# Altium PCB MAIN.PcbDoc (continued)
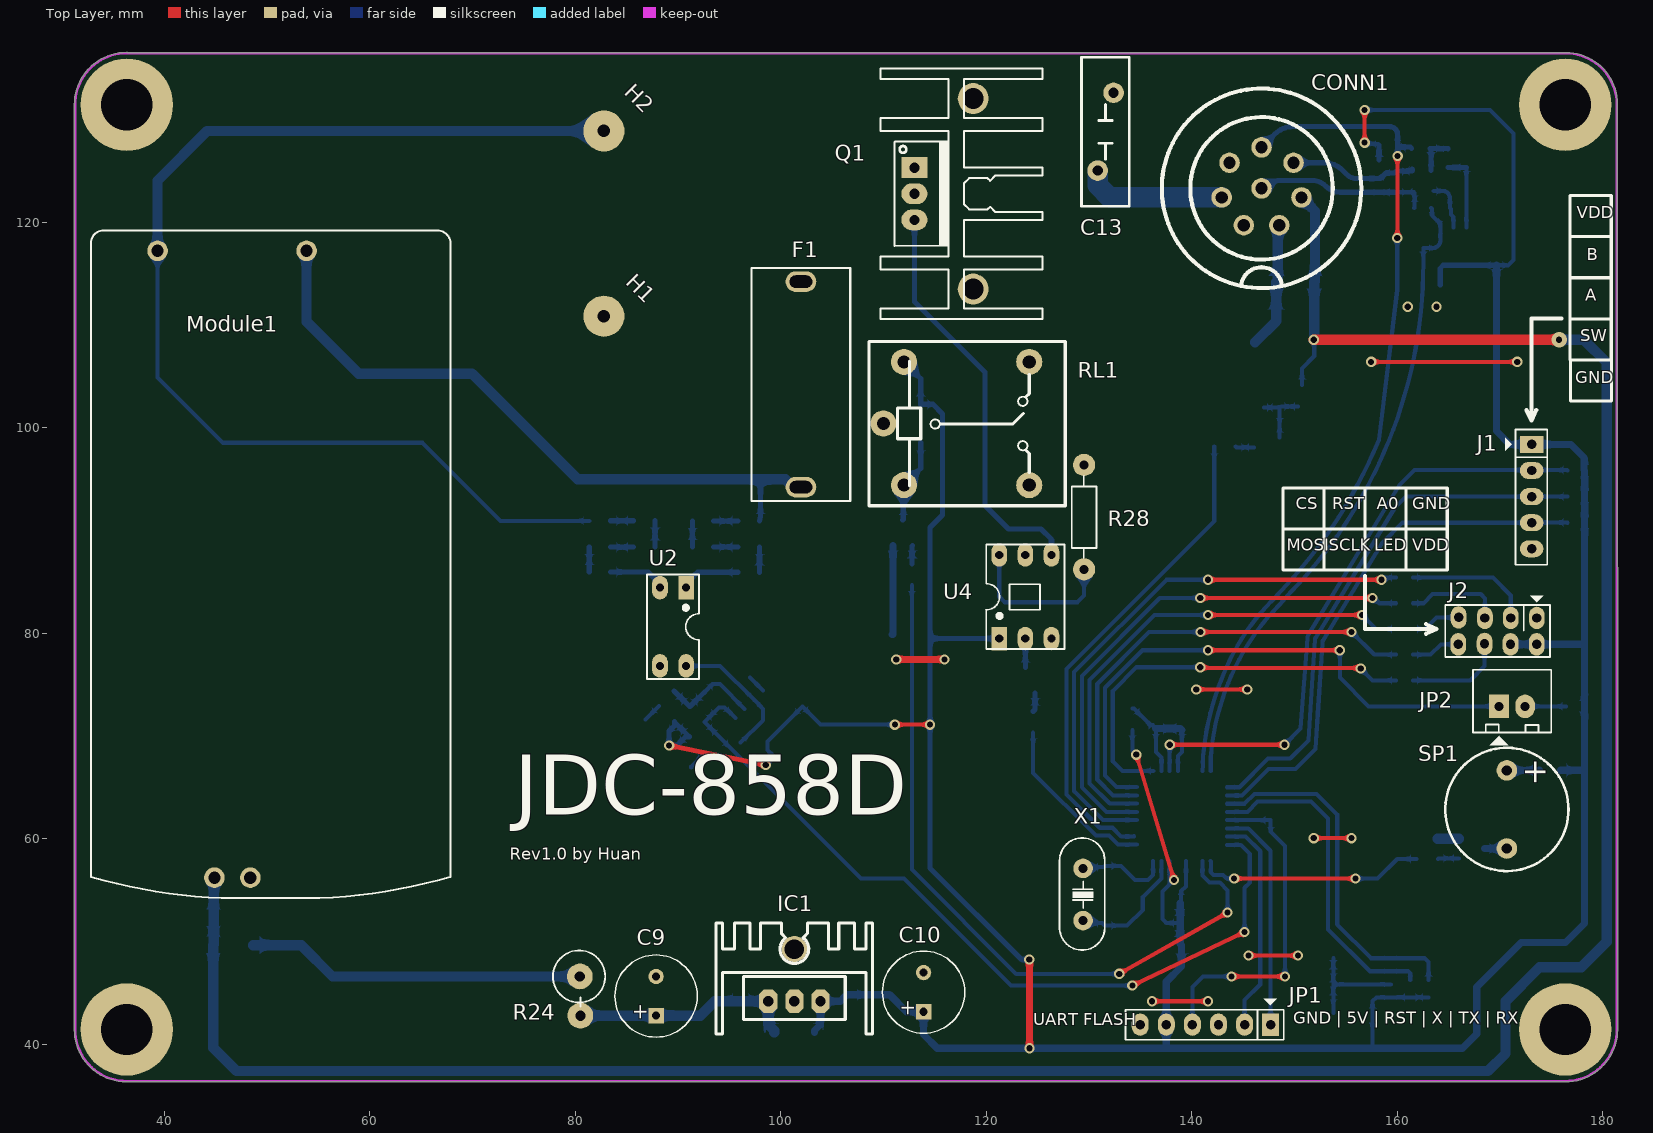
[diagram p0: Top Layer view]
## Footprints (in the part's own frame and the unit in brackets; to place one, negate y for a bottom-side part, rotate by r counter-clockwise, add the part's x,y. Pads: shape width x height; smd on the part's side, far side on the other; paste and mask are expansions set on the pad) (continued)
SOP-8 [mm]
  rect 1.2x0.45 smd: 1(-2.794,1.905) 2(-2.794,0.635) 3(-2.794,-0.635) 4(-2.794,-1.905) 5(2.794,-1.905) 6(2.794,-0.635) 7(2.794,0.635) 8(2.794,1.905)
  silkscreen extent -2.16,-2.41 1.91,3.05, body extent -3,-2.45 3,2.45, height 1.75
SOT23B [mm] "SOT 23B"
  rect 1x1 smd: 1(-0.95,-1.25) 2(0.95,-1.25) 3(0,1.25)
  silkscreen extent -1.3,-0.38 1.3,1.25, body extent -1.52,-1.23 1.48,1.27, height 1.06
TO220H2 [mil] "TO-220 - 1-2-3"
  rect 80x100 hole 39: 1(-100,0)
  oval 80x100 hole 39: 2(0,0) 3(100,0)
  silkscreen extent -480,-130 480,490, body extent -449,-177 453,469, height 1206
TO-252 [mm]
  rect 1.2x2.2 smd: 1(-2.28,-6.3) 3(2.28,-6.3)
  rect 5.8x6.4 smd: 2(0,0)
  body extent -3.27,-6.61 3.27,3.3, height 2.75
TQFP-32 [mm]
  rect 1.5x0.45 smd: 1(-4.394,2.794) 2(-4.394,1.994) 3(-4.394,1.194) 4(-4.394,0.394) 5(-4.394,-0.406) 6(-4.394,-1.206) 7(-4.394,-2.006) 8(-4.394,-2.806) 17(4.394,-2.794) 18(4.394,-1.994) 19(4.394,-1.194) 20(4.394,-0.394) 21(4.394,0.406) 22(4.394,1.206) 23(4.394,2.006) 24(4.394,2.806)
  rect 0.45x1.5 smd: 9(-2.794,-4.394) 10(-1.994,-4.394) 11(-1.194,-4.394) 12(-0.394,-4.394) 13(0.406,-4.394) 14(1.206,-4.394) 15(2.006,-4.394) 16(2.806,-4.394) 25(2.794,4.394) 26(1.994,4.394) 27(1.194,4.394) 28(0.394,4.394) 29(-0.406,4.394) 30(-1.206,4.394) 31(-2.006,4.394) 32(-2.806,4.394)
  silkscreen extent -4.7,-3 3,4.7, body extent -4.5,-4.5 4.5,4.5, height 1.2
VNPT_ADAPTER [mm]
  round 2 hole 1.2: 1(3.068,34.933) 2(-11.432,34.933) 3(-5.9,-26.067) 4(-2.4,-26.067)
  silkscreen extent -17.93,-28.07 17.07,36.93, body extent -18.03,-28.17 17.17,37.03, height 20
XT-49S/DIP [mil] "Footpin for Crystal 2 pin"
  round 75 hole 34: 1(-100,0) 2(100,0)
  silkscreen extent -213,-83 217,90, body extent -216,-87 216,90, height 144

## Part data
C1 C2 C3 C4 C5 C6 C7 C8 C11 C12 C14 C15 C16 C17 C18 C19 C20 C21 C22: library part "CAP SMD", "CAP SMD", Designed by=VanDungEvn
C9 C10: library part CAP-Radial, "CAP-Radial", LatestRevisionDate=17-Jul-2002, LatestRevisionNote="Re-released for DXP Platform.", PackageReference=POLAR0.8, Published=8-Jun-2000, Publisher="Altium Limited"
D1 D2 D3: library part "Diode  1N4007", "Diode 1A"
D4 D5: library part "Diode-1N4007 -A4", "Default Diode", Code - JEDEC=DO-214-AB, Published=8-Jun-2000, Publisher="Altium Limited", Revision="July-2002: Re-released for DXP Platform."
IC1: library part LM78xx, "On ap +, from + 5 to + 24VDC"
J1: library part JP5
J2: library part JP4x2, "Connector 4x2"
JP1: library part JP6
JP2: library part Con2, "Connector 2"
L1: library part inductor-SMD, "inductor-SMD"
Q1: library part BTA12-600_TRIAC, "Silicon Bidirectional Triode Thyristor", Code_JEDEC=TO-251-AA, ComponentLink1Description="Manufacturer Link", ComponentLink1URL=http://www.motorola.com/, DatasheetDocument=1999, LatestRevisionDate=17-Jul-2002, LatestRevisionNote="Re-released for DXP Platform.", Note="Pin 2 is electrically connected to Pin 4 (TAB)", PackageReference=369-03, Published=29-Sep-2000, Publisher="Altium Limited"
Q2 Q4 Q5 Q6: library part 2N222, "NPN 600mW, ECB"
Q3: library part MOSFET-N, "MOSFET N chane"
R1 R2 R3 R4 R5 R6 R7 R8 R9 R10 R11 R12 R13 R14 R15 R16 R17 R18 R19 R20 R21 R22 R23 R25 R26 R27 R29 R30 R31 R32 R33 R34 R35 R36 R37 R38 R39 R40 R41 R42 R43 R44: library part Res-SMD, "Resistor", Manufacturer="Generic Components", Class=Passive, Published=08/06/2000, Publisher="Altium Hobart Technology Centre"
R24 R28: library part Res_DIP, "Res", Manufacturer="Generic Components", Class=Passive, Published=08/06/2000, Publisher="Altium Hobart Technology Centre", SubClass=R
RL1: library part "Relay 5VDC", "Relay SPDT 5 Pin"
SP1: library part Buzzer_5V
U1: library part MCP6002
U2 U4: "Single Opto"
U5: library part ATMEGA328p
U6: library part 24Cxx, "SERIAL EEPROM"
X1: library part XTAL, "crystal"

## Free pads (board coordinates)
  round 9 hole 5: ""(36.369,41.449) ""(36.369,131.449) ""(176.369,41.449) ""(176.369,131.449)
  round 3 hole 2: ""(118.745,113.516) ""(118.745,132.058)

## Via types
v1: diameter 1, hole 0.6, Top Layer to Bottom Layer, tented both sides, 49 vias
v2: diameter 1.5, hole 0.6, Top Layer to Bottom Layer, tented both sides, 1 vias

## Nets (pads, with @x,y where several pads share a name; then routed paths per layer and width w, separated by ;. In a path a pad name is that pad's centre, name@x,y a point inside that pad or via, vN(x,y) a via of type N, cw(c..) or ccw(c..) an arc to the next point about the centre after c; other vN are vias at no path point)
+5VDC: C2.2 C3.2 C10.1 C12.1 C14.2 C15.2 C16.2 C22.2 D1.A D4.K IC1.3 J1.1 J2.5 J2.6 JP1.5 L1.2 R1.1 R2.1 R3.1 R9.2 R18.1 R31.1 R32.1 R33.1 R34.2 R35.2 R36.2 R41.2 R42.1 RL1.5 U1.8 U3.8 U4.1 U5.4 U5.6 U6.8 | length 384.8
  Top Layer w0.4: v1(111.125,71.12) v1(114.554,71.12) ; v1(134.62,68.199) v1(138.303,56.007) ; v1(156.845,127.762) v1(156.845,130.937)
  Top Layer w0.5: v1(89.154,69.088) v1(98.552,67.183)
  Top Layer w0.7: v1(124.206,48.26) 124.222,48.244 124.222,39.64 v1(124.238,39.624)
  Bottom Layer w0.4: R3.1 98.044,67.437 98.755,67.437 99.321,68.003 U1.8@99.356,68.003 ; U1.8 U1.8@99.356,68.003 ; v1(111.125,71.12) 103.886,71.12 C2.2 98.718,69.464 98.718,68.641 U1.8@99.356,68.003 ; L1.2 134.239,68.58 v1(134.62,68.199) ; U5.6 137.859,55.563 137.16,54.864 137.16,52.197 137.541,51.816 C15.2 ; C14.2@138.675,49.92 C14.2@138.938,49.657 ; C16.2@138.988,54.034 138.988,54.914 139.459,55.385 U5.4 ; v1(156.845,127.762) 156.96,127.647 158.142,127.647 158.242,127.547 R1.1 ; v1(156.845,130.937) 169.037,130.937 171.323,128.651 171.323,116.342 170.805,115.824 C3.2 ; 157.506,39.624 157.616,39.735 C22.2 157.616,44.205 157.988,44.577 U6.8 R32.1
  Bottom Layer w0.5: R2.1@89.686,71.359 89.686,71.004 89.154,70.471 v1(89.154,69.088) 89.161,69.095 89.915,69.095 90.718,69.899 91.108,69.899 R9.2 89.686,71.359 R2.1 ; RL1.5 113.646,104.786 D4.K 114.823,102.296 115.772,101.348 115.772,91.515 114.554,90.297 114.554,79.502 ; U4.1 114.554,79.502 ; v1(124.206,48.26) 124.203,48.263 123.441,48.263 114.554,57.15 v1(114.554,71.12) 114.554,79.502 ; R18.1 R1.1 ; U3.8 164.211,115.531 164.504,115.824 C3.2
  Bottom Layer w0.7: D1.A 103.296,41.348 103.886,41.938 IC1.3 105.825,44.196 106.255,44.626 106.255,44.631 106.455,44.831 C12.1 110.617,44.831 112.268,43.18 C10.1 113.919,40.958 115.253,39.624 v1(124.238,39.624) 137.598,39.624 ; C16.2@138.908,53.742 138.908,49.763 C14.2 139.014,47.574 137.541,46.101 JP1.5 137.541,39.681 137.598,39.624 ; C3.2 169.672,99.695 170.974,98.393 J1.1 176.943,98.393 178.207,97.129 178.207,95.903 R36.2 R35.2 R34.2 178.257,79.145 ; J2.6 J2.5 178.049,78.937 178.257,79.145 ; R42.1 178.254,66.675 178.257,66.678 ; 137.598,39.624 157.506,39.624 166.37,39.624 167.767,41.021 167.767,45.593 172.085,49.911 176.403,49.911 178.257,51.765 178.257,66.678 ; 178.257,66.678 178.257,79.145
+12VDC: CONN1.6 D2.A D3.K D5.K Module1.3 R25.1 | length 266.6
  Top Layer w1: v1(151.892,108.585) v2(175.768,108.585)
  Bottom Layer w0.4: R25.1 150.749,105.791 151.944,106.986 151.944,108.533 v1(151.892,108.585)
  Bottom Layer w1: Module1.3 44.843,56.172 44.843,49.714 D2.A 44.786,39.669 47.056,37.399 168.844,37.399 170.561,39.116 170.561,44.196 173.863,47.498 177.927,47.498 180.405,49.976 180.405,106.361 178.181,108.585 v2(175.768,108.585) ; CONN1.6 152.019,121.108 152.019,114.253 D5.K 151.944,108.637 v1(151.892,108.585)
AC_L: F1.2 Module1.1 R4.2 RL1.1 | length 65.7
  Bottom Layer w0.5: R4.2 98.048,91.381 98.048,94.996
  Bottom Layer w1: Module1.1 53.868,110.343 58.928,105.283 69.977,105.283 80.264,94.996 98.048,94.996 100.448,94.996 101.21,94.234 F1.2
AC_N: H2.1 Module1.2 Q1.2 R10.2 | length 112.4
  Bottom Layer w0.4: Module1.2 39.368,104.904 45.72,98.552 65.151,98.552 72.746,90.957 R10.2
  Bottom Layer w1: Module1.2 39.368,124.077 44.196,128.905 H2.1
ADC_THERMAL_SENSOR: C7.2 R22.1 U3.1 U5.24 | length 62
  Bottom Layer w0.4: U5.24 141.871,67.838 141.871,67.839 cw(c142.271,67.838) 141.872,67.865 cw(c165.823,66.153) 147.452,81.615 cw(c147.756,81.356) 147.47,81.636 cw(c161.4,67.877) 147.553,81.719 ccw(c147.024,82.25) 147.571,81.737 ccw(c79.392,146.057) 149.484,83.827 ccw(c123.949,106.655) 149.607,83.966 ccw(c116.404,116.027) 162.56,116.027 162.56,116.029 C7.2 163.474,117.5 ccw(c163.474,118.237) 164.211,118.237 164.211,119.882 164.186,119.907 163.401,120.692 163.401,121.333 R22.1
BUZ: R43.2 U5.1 | length 22.2
  Top Layer w0.4: v1(144.145,56.134) v1(155.956,56.134)
  Bottom Layer w0.4: U5.1 141.884,57.811 141.884,56.737 142.118,56.503 143.059,56.503 143.428,56.134 v1(144.145,56.134) ; v1(155.956,56.134) 158.115,56.134 160.02,58.039 R43.2
EGND: C13.1 CONN1.2 | length 14
  Bottom Layer w2: C13.1 130.861,123.602 132.032,122.43 CONN1.2
FAN: R29.2 U5.10 | length 48.1
  Bottom Layer w0.4: U5.10@134.417,60.261 134.392,60.236 133.155,60.236 132.305,61.086 131.067,61.086 127.822,64.331 127.822,76.549 142.213,90.94 R29.2
GND: C1.1 C2.1 C3.1 C5.1 C6.1 C7.1 C8.1 C9.2 C10.2 C11.2 C12.2 C13.2 C14.1 C15.1 C16.1 C17.1 C18.1 C19.1 C20.2 C21.2 C22.1 D3.A IC1.2 J1.5 J2.1 JP1.6 Module1.4 Q2.2 Q3.3 Q4.2 Q5.2 Q6.2 R15.1 R17.2 R23.2 R27.2 U1.4 U2.3 U3.4 U5.3 U5.5 U5.21 U6.1 U6.2 U6.3 U6.4 U6.7 | length 65.3
  Top Layer w0.4: v1(136.144,44.196) v1(141.605,44.196) ; v1(140.462,74.549) v1(145.415,74.549) ; v1(145.542,48.641) v1(150.368,48.641) ; v1(151.892,60.071) v1(155.575,60.071) ; v1(157.48,106.426) v1(171.704,106.426)
  Top Layer w0.7: v1(111.252,77.47) v1(115.951,77.47)
  Bottom Layer w0.4: 86.868,71.628 R17.2 ; 91.313,66.929 91.313,67.056 R15.1 R15.1@92.505,68.375 ; 97.028,75.719 U1.4 ; 153.797,43.053 U6.1 U6.2 ; U6.4 U6.3 U6.2 ; U6.7 U6.2
  Bottom Layer w0.7: 110.871,79.883 ccw(c110.871,79.949) 110.937,79.949 Q2.2
  Bottom Layer w1: 163.957,60.005 Q6.2
  other v1: 161.036,111.794 163.83,111.794
LED_FC0: JP2.1 U5.16 | length 55.8
  Top Layer w0.4: v1(141.605,78.359) v1(154.432,78.359)
  Bottom Layer w0.4: U5.16 132.703,65.036 131.572,66.167 131.572,74.711 135.22,78.359 v1(141.605,78.359) ; v1(154.432,78.359) 154.432,75.692 157.226,72.898 JP2.1
NetC4_1: C4.1 C8.2 CONN1.8 R21.2 R23.1 | length 16.9
  Bottom Layer w0.4: C4.1 161.66,122.936 161.716,122.881 161.716,121.457 C8.2
  Bottom Layer w0.5: CONN1.8 146.83,123.335 cw(c148.626,121.539) 146.901,123.404 cw(c148.626,121.539) 148.626,124.079 151.719,124.079 cw(c151.719,122.128) 153.098,123.508 ccw(c154.478,124.887) 154.478,122.936 R23.1 C4.1
NetC4_2: C4.2 CONN1.5 R18.2 R19.2 | length 12.5
  Bottom Layer w0.5: CONN1.5 152.927,125.802 cw(c152.927,123.262) 154.723,125.058 155.113,124.668 ; 155.113,124.668 ccw(c156.052,125.608) 156.052,124.279 R18.2 158.392,124.279 158.924,124.812 159.762,124.812 C4.2 159.94,124.989 161.459,124.989 R19.2 161.506,125.147 R19.2@161.456,125.197
NetC5_2: C5.2 R19.1 R20.2 | length 4
  Bottom Layer w0.5: C5.2 C5.2@163.216,127.186 ; R19.1 163.322,127.08 C5.2@163.216,127.186 ; R20.2 164.952,127.186 C5.2@163.216,127.186
NetC6_2: C6.2 R20.1 U3.3 | length 7.6
  Bottom Layer w0.4: U3.3 C6.2
  Bottom Layer w0.5: R20.1 C6.2
NetC9_1: C9.1 C11.1 D1.K IC1.1 R24.1 | length 22.2
  Bottom Layer w1: R24.1 C9.1 92.202,42.799 93.599,44.196 IC1.1 98.806,41.938 99.396,41.348 D1.K
NetC17_2: C17.2 C18.2 L1.1 U5.18 U5.20 | length 14.2
  Bottom Layer w0.4: L1.1 134.387,72.679 135.986,71.08 136.175,71.08 C18.2 136.525,68.453 137.071,67.907 U5.18 ; U5.20 138.671,68.059 139.065,68.453 C17.2@139.065,70.603
  Bottom Layer w0.7: C18.2@136.525,70.734 138.933,70.734 C17.2@139.065,70.603
NetC20_1: C20.1 U5.7 X1.1 | length 12.1
  Bottom Layer w0.4: X1.1 129.684,51.803 131.306,51.803 C20.1 131.551,51.562 133.731,51.562 135.255,53.086 135.255,54.356 137.059,56.16 U5.7
NetC21_1: C21.1 U5.8 X1.2 | length 9
  Bottom Layer w0.4: X1.2 129.567,57.251 131.423,57.251 C21.1 133.123,57.377 134.493,56.007 135.763,56.007 136.259,56.503 U5.8
NetCONN1_1: CONN1.1 R28.1 RL1.3
NetCONN1_3: CONN1.3 Q1.1
NetCONN1_7: CONN1.7 D5.A Q3.2 | length 12.4
  Bottom Layer w1: Q3.2 148.244,110.398 D5.A 148.393,114.327 148.393,119.578 CONN1.7 CONN1.7@148.593,119.674
NetD2_2: D2.K R24.2 | length 33
  Bottom Layer w1: D2.K 53.34,49.657 56.388,46.609 R24.2
NetD4_A: D4.A Q2.3 RL1.4 | length 8.3
  Bottom Layer w0.5: Q2.3 111.946,91.098 111.946,94.366 RL1.4 113.646,96.066 D4.A
NetF1_1: F1.1 H1.1
NetJ2_2: J2.2 R37.2 | length 12.4
  Bottom Layer w0.4: R37.2 169.331,85.431 171.069,83.693 J2.2
NetJ2_3: J2.3 R44.2 | length 9.4
  Bottom Layer w0.4: R44.2 162.56,82.931 163.449,83.82 168.148,83.82 168.554,83.414 J2.3
NetJ2_4: J2.4 R39.2 | length 4.9
  Bottom Layer w0.4: R39.2 162.727,80.431 163.849,81.553 J2.4
NetJ2_7: J2.7 R38.2 | length 9.7
  Bottom Layer w0.4: R38.2 167.125,75.431 168.516,76.822 J2.7
NetJ2_8: J2.8 R40.2 | length 4.8
  Bottom Layer w0.4: R40.2 163.275,77.931 164.281,78.937 J2.8
NetJP2_2: JP2.2 R41.1 | length 4
  Bottom Layer w0.4: JP2.2 R41.1
NetQ1_3: Q1.3 U4.4 | length 40
  Bottom Layer w0.5: Q1.3 113.03,112.268 119.888,105.41 119.888,92.456 122.174,90.17 125.349,90.17 126.365,89.154 U4.4
NetQ2_2: Q2.1 R26.1 | length 1.8
  Bottom Layer w0.5: R26.1 112.807,86.799 112.807,88.508 Q2.1
NetQ3_1: Q3.1 Q4.3 R25.2 R27.1 | length 6.3
  Bottom Layer w0.4: R27.1 148.407,101.981 Q3.1 Q3.1@148.57,101.918 ; Q4.3 Q3.1@148.57,101.918 ; R25.2@150.368,102.081 148.733,102.081 Q3.1@148.57,101.918
NetQ4_2: Q4.1 R29.1 | length 1.8
  Bottom Layer w0.4: R29.1 144.36,98.11 Q4.1
NetQ5_2: Q5.1 R30.1 | length 1.8
  Bottom Layer w0.5: R30.1 124.775,72.605 Q5.1
NetQ5_3: Q5.3 U4.2 | length 2.8
  Bottom Layer w0.5: Q5.3 U4.2
NetQ6_2: Q6.1 R43.1 | length 2.1
  Bottom Layer w0.4: R43.1 164.05,58.105 Q6.1
NetQ6_3: Q6.3 SP1.2 | length 2.2
  Bottom Layer w0.7: Q6.3 168.514,59.06 170.683,59.06 SP1.2
NetR2_2: R2.2 R16.1 R17.1 U1.2 | length 9.4
  Bottom Layer w0.4: R16.1 93.394,75.057 94.098,75.057 U1.2
  Bottom Layer w0.5: R17.1 R2.2 91.186,72.873 92.583,74.271 R16.1
NetR3_2: R3.2 U1.3 U2.4 | length 13.4
  Bottom Layer w0.4: U2.4 94.116,76.835 U1.3 98.298,72.653 98.298,71.542 R3.2
NetR4_1: R4.1 R5.2 | length 2.4
  Bottom Layer w0.5: R5.2 R4.1
NetR5_1: R5.1 R6.2 | length 2.5
  Bottom Layer w0.5: R6.2 R5.1
NetR6_1: R6.1 R7.2 | length 2.4
  Bottom Layer w0.5: R6.1 R7.2
NetR7_1: R7.1 R8.2 | length 2.5
  Bottom Layer w0.5: R8.2 R7.1
NetR8_1: R8.1 U2.1 | length 5.9
  Bottom Layer w0.5: U2.1 90.805,84.836 91.923,85.954 R8.1
NetR10_1: R10.1 R11.2 | length 2.2
  Bottom Layer w0.5: R10.1 R11.2
NetR11_1: R11.1 R12.2 | length 2.6
  Bottom Layer w0.5: R12.2 R11.1
NetR12_1: R12.1 R13.2 | length 2.2
  Bottom Layer w0.5: R13.2 R12.1
NetR13_1: R13.1 R14.2 | length 2.4
  Bottom Layer w0.5: R14.2 R13.1
NetR14_1: R14.1 U2.2 | length 5.7
  Bottom Layer w0.5: R14.1 87.122,85.979 88.265,84.836 U2.2
NetR21_1: R21.1 R22.2 U3.2 | length 5
  Bottom Layer w0.4: R21.1 164.456,123.063 cw(c164.456,122.382) 164.832,122.95 cw(c164.456,122.382) 165.025,122.757 cw(c164.456,122.382) 165.138,122.382 R22.2 165.238,121.312 165.238,120.766 165.481,120.523 U3.2
NetR28_2: R28.2 U4.6 | length 15.4
  Bottom Layer w0.4: U4.6 121.285,83.566 121.816,83.035 128.882,83.035 129.54,83.693 R28.2
NetR42_2: R42.2 SP1.1 | length 3.2
  Bottom Layer w0.7: SP1.1 170.693,66.67 173.831,66.67 R42.2
RELAY: R26.2 U5.2 | length 70.8
  Top Layer w0.4: v1(132.969,46.863) v1(143.51,52.832)
  Bottom Layer w0.4: R26.2 112.776,57.023 122.936,46.863 v1(132.969,46.863) ; U5.2 141.059,56.426 141.732,55.753 142.748,55.753 143.51,54.991 v1(143.51,52.832)
ROTA_CLK: J1.2 R36.1 U5.19 | length 59.1
  Top Layer w0.4: v1(137.871,69.164) v1(149.047,69.164)
  Bottom Layer w0.4: U5.19 v1(137.871,69.164) ; v1(149.047,69.164) 150.622,70.739 151.271,79.557 cw(c152.019,79.502) 151.379,79.892 160.281,94.495 161.683,95.897 173.101,95.897 176.537,95.897 R36.1
ROTA_DATA: J1.3 R35.1 U5.25 | length 51.9
  Bottom Layer w0.4: U5.25 144.646,65.024 147.44,67.818 149.606,67.818 151.371,69.583 151.804,76.576 ; 151.804,76.577 cw(c152.203,76.551) 151.804,76.581 152.012,79.406 cw(c152.411,79.376) 152.069,79.584 159.754,92.19 160.877,93.313 J1.3 R35.1
ROTA_SW: J1.4 R34.1 U5.26 | length 51
  Bottom Layer w0.4: U5.26 144.907,64.224 147.485,66.802 150.114,66.802 152.067,68.755 152.119,69.532 ccw(c151.371,69.583) 152.12,69.537 152.327,72.895 152.733,78.987 cw(c153.132,78.96) 152.733,78.99 152.745,79.148 152.745,79.15 cw(c153.144,79.119) 152.802,79.327 158.579,88.82 160.532,90.773 J1.4 ; J1.4@173.101,90.798 176.381,90.798 R34.1
RST: C19.2 JP1.4 R31.2 U5.29 | length 33.2
  Top Layer w0.4: v1(143.891,46.609) v1(149.098,46.609)
  Bottom Layer w0.4: JP1.4 140.081,45.593 141.097,46.609 v1(143.891,46.609) ; U5.29 147.676,61.824 C19.2 147.701,60.706 149.098,59.309 v1(149.098,46.609)
RX: JP1.1 U5.30 | length 22.1
  Bottom Layer w0.4: U5.30 145.523,61.024 147.701,58.846 JP1.1
SCL: R33.2 U5.28 U6.6 | length 32.1
  Bottom Layer w0.4: U5.28 145.428,62.624 146.431,63.627 151.638,63.627 153.289,61.976 153.289,51.181 157.353,47.117 U6.6 161.056,47.117 161.29,46.883 R33.2
SDA: R32.2 U5.27 U6.5 | length 34.8
  Bottom Layer w0.4: U5.27 145.167,63.424 146.12,64.377 152.158,64.377 154.178,62.357 154.178,51.689 157.48,48.387 U6.5 162.687,48.387 163.068,48.006 R32.2
SWITCH: C1.2 CONN1.4 R1.2 U5.23 | length 82.7
  Top Layer w0.4: v1(160.02,118.491) 160.039,118.51 160.039,126.185 160.082,126.228 v1@160.129,126.228
  Bottom Layer w0.4: U5.23 141.096,67.174 141.096,67.602 141.121,67.627 141.121,68.175 ccw(c140.756,68.338) 141.154,68.302 cw(c165.823,66.153) 143.113,76.024 ccw(c142.746,76.182) 143.118,76.035 cw(c162.748,68.184) 147.794,83.129 ccw(c147.51,83.411) 147.801,83.136 ccw(c91.856,135.91) 151.498,87.353 ccw(c113.296,117.491) 158.24,98.844 160.02,113.446 v1(160.02,118.491)
  Bottom Layer w0.5: CONN1.4 148.09,128.58 cw(c149.886,126.784) 149.886,129.324 159.263,129.324 cw(c159.263,128.529) 160.058,128.529 R1.2 R1.2@160.058,127.388 ; v1(160.058,126.462) R1.2@160.058,127.388 ; C1.2 161.286,127.338 160.108,127.338 R1.2@160.058,127.388
TFT_CS: R39.1 U5.14 | length 48.5
  Top Layer w0.4: v1(141.605,81.788) v1(156.591,81.788)
  Bottom Layer w0.4: U5.14 132.04,63.436 130.072,65.404 130.072,75.474 136.386,81.788 v1(141.605,81.788) ; v1(156.591,81.788) 157.948,80.431 R39.1
TFT_DC: R37.1 U5.12 | length 54
  Top Layer w0.4: v1(141.605,85.217) v1(158.496,85.217)
  Bottom Layer w0.4: U5.12 131.378,61.836 128.572,64.642 128.572,76.236 137.553,85.217 v1(141.605,85.217) ; v1(158.496,85.217) 158.71,85.431 R37.1
TFT_MOSI: R40.1 U5.15 | length 45.9
  Top Layer w0.4: v1(140.873,80.137) v1(155.575,80.137)
  Bottom Layer w0.4: U5.15 132.372,64.236 130.822,65.786 130.822,75.092 135.867,80.137 v1(140.873,80.137) ; v1(155.575,80.137) 157.781,77.931 R40.1
TFT_RST: R44.1 U5.13 | length 51.1
  Top Layer w0.4: v1(140.843,83.439) v1(157.607,83.439)
  Bottom Layer w0.4: U5.13 131.709,62.636 129.322,65.023 129.322,75.855 136.906,83.439 v1(140.843,83.439) ; v1(157.607,83.439) 157.769,83.439 158.277,82.931 R44.1
TFT_SCLK: R38.1 U5.17 | length 40.2
  Top Layer w0.4: v1(140.843,76.708) 140.906,76.644 156.4,76.644 v1(156.464,76.581)
  Bottom Layer w0.4: U5.17 133.262,66.624 132.334,67.552 132.334,74.412 134.63,76.708 v1(140.843,76.708) ; v1(156.464,76.581) 157.614,75.431 R38.1
TRIAC: R30.2 U5.9 | length 16.9
  Bottom Layer w0.4: R30.2 124.587,66.421 130.683,60.325 131.953,60.325 132.842,59.436 U5.9
TX: JP1.2 U5.31 | length 21.3
  Bottom Layer w0.4: U5.31 145.262,60.224 146.685,58.801 146.685,45.847 145.161,44.323 JP1.2
ZERO_CROSSING: R9.1 R15.2 R16.2 U1.1 U5.32 | length 78.8
  Top Layer w0.4: v1(134.239,45.72) v1(145.161,50.927)
  Bottom Layer w0.4: U1.1 94.553,72.806 94.093,72.806 R16.2 94.005,72.796 92.583,71.374 92.583,71.367 94.1,69.85 R15.2 107.823,56.134 112.014,56.134 122.428,45.72 v1(134.239,45.72) ; U5.32 144.792,59.424 145.669,58.547 145.669,55.753 145.161,55.245 v1(145.161,50.927)
pads on no net: JP1.3 RL1.2 U1.5 U1.6 U1.7 U3.5 U3.6 U3.7 U4.3 U4.5 U5.11 U5.22

## Polygon pours and split planes (outlines as drawn)
GND on Bottom Layer "NONET_L01_P-001" (solid, remove dead copper, pour order 10): 176.525,136.434 cw(c176.525,131.49) 181.468,131.49 181.468,41.448 cw(c176.369,41.448) 176.369,36.349 129.574,36.349 129.574,79.79 143.297,93.513 143.297,109.134 149.86,115.697 149.86,133.223 148.971,134.112 136.906,134.112 134.264,131.47 130.785,131.47 129.076,133.179 129.076,136.434
GND on Bottom Layer "NONET_L01_P-001" (solid, pour order 9): 31.369,81.135 135.421,81.135 135.421,36.449 36.269,36.449 cw(c36.269,41.349) 31.369,41.349
GND on Bottom Layer "NONET_L01_P-001" (solid, remove dead copper, pour order 7): 157.607,131.826 171.323,131.826 171.323,98.806 157.607,98.806
GND on Bottom Layer "NONET_L01_P-001" (solid, pour order 6): 142.096,65.874 142.096,73.262 142.164,73.33 136.046,73.33 136.046,65.874
GND on Bottom Layer "NONET_L01_P-001" (solid, pour order 5): 136.034,59.649 146.685,59.649 146.685,43.942 136.034,43.942
AC_N on Bottom Layer "NONET_L01_P-001" (solid, pour order 4): 113.03,123.803 88.414,123.803 86.106,126.111 86.106,130.683 85.09,131.699 80.645,131.699 79.629,130.683 79.629,123.19 81.048,121.771 88.497,121.771 113.03,121.771
NetCONN1_3 on Bottom Layer "NONET_L01_P-001" (solid, pour order 3): 144.403,126.509 141.118,129.794 122.301,129.794 118.85,126.343 113.03,126.343 113.03,124.311 119.866,124.311 123.444,127.889 140.195,127.889 142.989,125.095 144.403,125.095
NetCONN1_1 on Bottom Layer "NONET_L01_P-001" (solid, pour order 2): 126.492,96.393 131.445,101.346 131.445,113.284 136.525,118.364 142.306,118.364 144.669,120.727 145.497,120.727 146.083,120.141 146.083,119.312 143.229,116.459 137.414,116.459 133.731,112.776 133.731,99.441 126.746,92.456 123.063,92.456 122.428,93.091 122.428,95.631 123.19,96.393
NetF1_1 on Bottom Layer "NONET_L01_P-001" (solid, pour order 1): 83.058,116.459 80.264,113.665 80.264,109.347 81.28,108.331 84.582,108.331 85.471,109.22 85.471,111.76 86.106,112.395 103.251,112.395 104.013,113.157 104.013,115.697 103.251,116.459
AC_L on Bottom Layer "NONET_L01_P-001" (solid, pour order 0): 106.299,102.235 100.076,96.012 100.076,92.71 100.33,92.456 104.013,92.456 104.267,92.71 104.267,95.25 107.569,98.552 111.379,98.552 111.697,98.87 111.697,101.79 111.252,102.235

## Keep-outs
Keep-Out Layer:
  lines w0.2: 36.311,36.449 176.369,36.449 ccw(c176.369,41.449) 181.369,41.449 181.355,131.503 ccw(c176.424,131.503) 176.424,136.434 36.42,136.434 ; 36.369,36.449 cw(c36.369,41.449) 31.369,41.449 31.369,131.449 cw(c36.369,131.449) 36.369,136.449

## Other copper
Bottom Layer:
  pour cut-out: 86.905,73.148 87.121,72.932 92.719,67.333 95.008,69.621 95.008,70.336 89.55,75.793
  pour cut-out: 94.693,72.388 99.747,67.334 103.156,70.743 98.097,75.952
  pour cut-out: 159.137,86.331 159.137,74.531 162.313,74.531 162.313,86.331
  pour cut-out: 151.944,111.408 159.604,111.408 159.604,109.844 151.944,109.844
  pour cut-out: 149.077,105.131 149.077,101.227 151.613,101.227 151.613,105.131
  pour cut-out: 142.774,92.99 142.774,90.805 155.416,90.805 155.416,92.99
  pour cut-out: 175.831,96.753 175.831,89.873 179.007,89.873 179.007,96.753
  pour cut-out: 136.068,43.366 136.068,40.445 148.971,40.445 148.971,43.366
  pour cut-out: 137.973,45.486 137.973,40.005 140.049,40.005 140.049,45.486
  pour cut-out: 152.781,48.895 152.781,44.016 160.335,44.016 160.335,48.895
  pour cut-out: 160.39,46.648 160.39,44.177 163.968,44.177 163.968,46.654
  pour cut-out: 168.509,60.355 165.159,60.355 165.159,57.255 168.509,57.255
  pour cut-out: 155.829,131.699 158.115,131.699 158.115,129.032 155.829,129.032

## Silkscreen, mask and mechanical layers (free items; w line width, h text height)
Top Overlay:
  lines w0.3: 148.884,90.17 148.884,86.17 152.884,86.17 ; 148.884,90.17 152.884,90.17 ; 148.884,90.17 148.884,94.17 152.884,94.17 ; 148.884,90.17 152.884,90.17 ; 152.884,86.17 152.884,90.17 ; 152.884,86.17 156.884,86.17 ; 152.884,86.17 152.884,90.17 ; 152.884,90.17 156.884,90.17 ; 152.884,90.17 152.884,94.17 ; 152.884,90.17 156.884,90.17 ; 152.884,90.17 152.884,94.17 ; 152.884,94.17 156.884,94.17 ; 156.884,86.17 156.884,90.17 ; 156.884,86.17 160.884,86.17 ; 156.884,86.17 156.884,90.17 ; 156.884,90.17 160.884,90.17 ; 156.884,90.17 156.884,94.17 ; 156.884,90.17 160.884,90.17 ; 156.884,90.17 156.884,94.17 ; 156.884,94.17 160.884,94.17 ; 160.884,86.17 160.884,90.17 ; 160.884,86.17 164.884,86.17 164.884,90.17 ; 160.884,86.17 160.884,90.17 ; 160.884,90.17 164.884,90.17 ; 160.884,90.17 160.884,94.17 ; 160.884,90.17 164.884,90.17 ; 160.884,90.17 160.884,94.17 ; 160.884,94.17 164.884,94.17 164.884,90.17 ; 176.847,106.617 180.847,106.617 ; 176.847,106.617 176.847,110.617 ; 176.847,106.617 180.847,106.617 ; 176.847,110.617 180.847,110.617 ; 176.847,110.617 180.847,110.617 ; 176.847,110.617 176.847,114.617 ; 176.847,110.617 180.847,110.617 ; 176.847,114.617 180.847,114.617 ; 176.847,114.617 180.847,114.617 ; 176.847,114.617 176.847,118.617 ; 176.847,114.617 180.847,114.617 ; 176.847,118.617 180.847,118.617 ; 176.847,118.617 176.847,122.617 180.847,122.617 ; 176.847,118.617 180.847,118.617 ; 176.847,118.617 180.847,118.617 ; 176.847,118.617 180.847,118.617 ; 176.874,102.617 180.874,102.617 ; 176.874,102.617 176.874,106.617 180.874,106.617 ; 176.874,102.617 180.874,102.617 ; 180.847,106.617 180.847,110.617 ; 180.847,106.617 180.847,110.617 ; 180.847,110.617 180.847,114.617 ; 180.847,110.617 180.847,114.617 ; 180.847,114.617 180.847,118.617 ; 180.847,114.617 180.847,118.617 ; 180.847,118.617 180.847,122.617 ; 180.847,118.617 180.847,122.617 ; 180.874,102.617 180.874,106.617 ; 180.874,102.617 180.874,106.617
  lines w0.4: 156.884,85.598 156.884,80.431 156.967,80.431 163.83,80.431 ; 162.814,79.963 163.83,80.431 ; 162.814,80.899 163.83,80.431 ; 172.608,101.727 173.076,100.711 ; 173.076,109.291 173.076,110.649 176.022,110.649 ; 173.076,109.601 173.076,100.711 ; 173.544,101.727 173.076,100.711
  text "VDD" at 177.474,120.004 h2
  text "B" at 178.468,115.914 h2
  text "A" at 178.341,111.977 h2
  text "SW" at 177.833,108.022 h2
  text "GND" at 177.323,103.958 h2
  text "CS" at 150.154,91.703 h2
  text "RST" at 153.712,91.703 h2
  text "A0" at 158.03,91.703 h2
  text "GND" at 161.457,91.703 h2
  text "LED" at 157.776,87.657 h2
  text "VDD" at 161.457,87.657 h2
  text "MOSI" at 149.267,87.639 h2
  text "SCLK" at 153.331,87.639 h2
  text "JDC-858D" at 74.069,60.416 h10
  text "Rev1.0 by Huan" at 73.662,57.561 h2
  text "GND | 5V | RST | X | TX | RX" at 149.879,41.63 h2
  text "UART FLASH" at 124.587,41.475 h2
Mechanical 15:
  circle w0.254: c176.369,131.449 r5
  circle w0.254: c36.369,41.449 r5
  circle w0.254: c36.369,41.449 r5
  circle w0.254: c36.369,131.449 r5
  circle w0.254: c176.369,131.449 r5
  circle w0.254: c176.369,41.449 r5

## Text inside footprints (layer, text, board x,y; h text height)
C9: Top Overlay "+" at 86.995,42.291 h1.5 r90
C10: Top Overlay "+" at 113.03,42.672 h1.5 r90
SP1: Top Overlay "+" at 171.721,67.869 h4 r270